# Allegro board A523-EVB-AXP717C-LPDDR4-4X-32X1-V1-0.brd (continued)
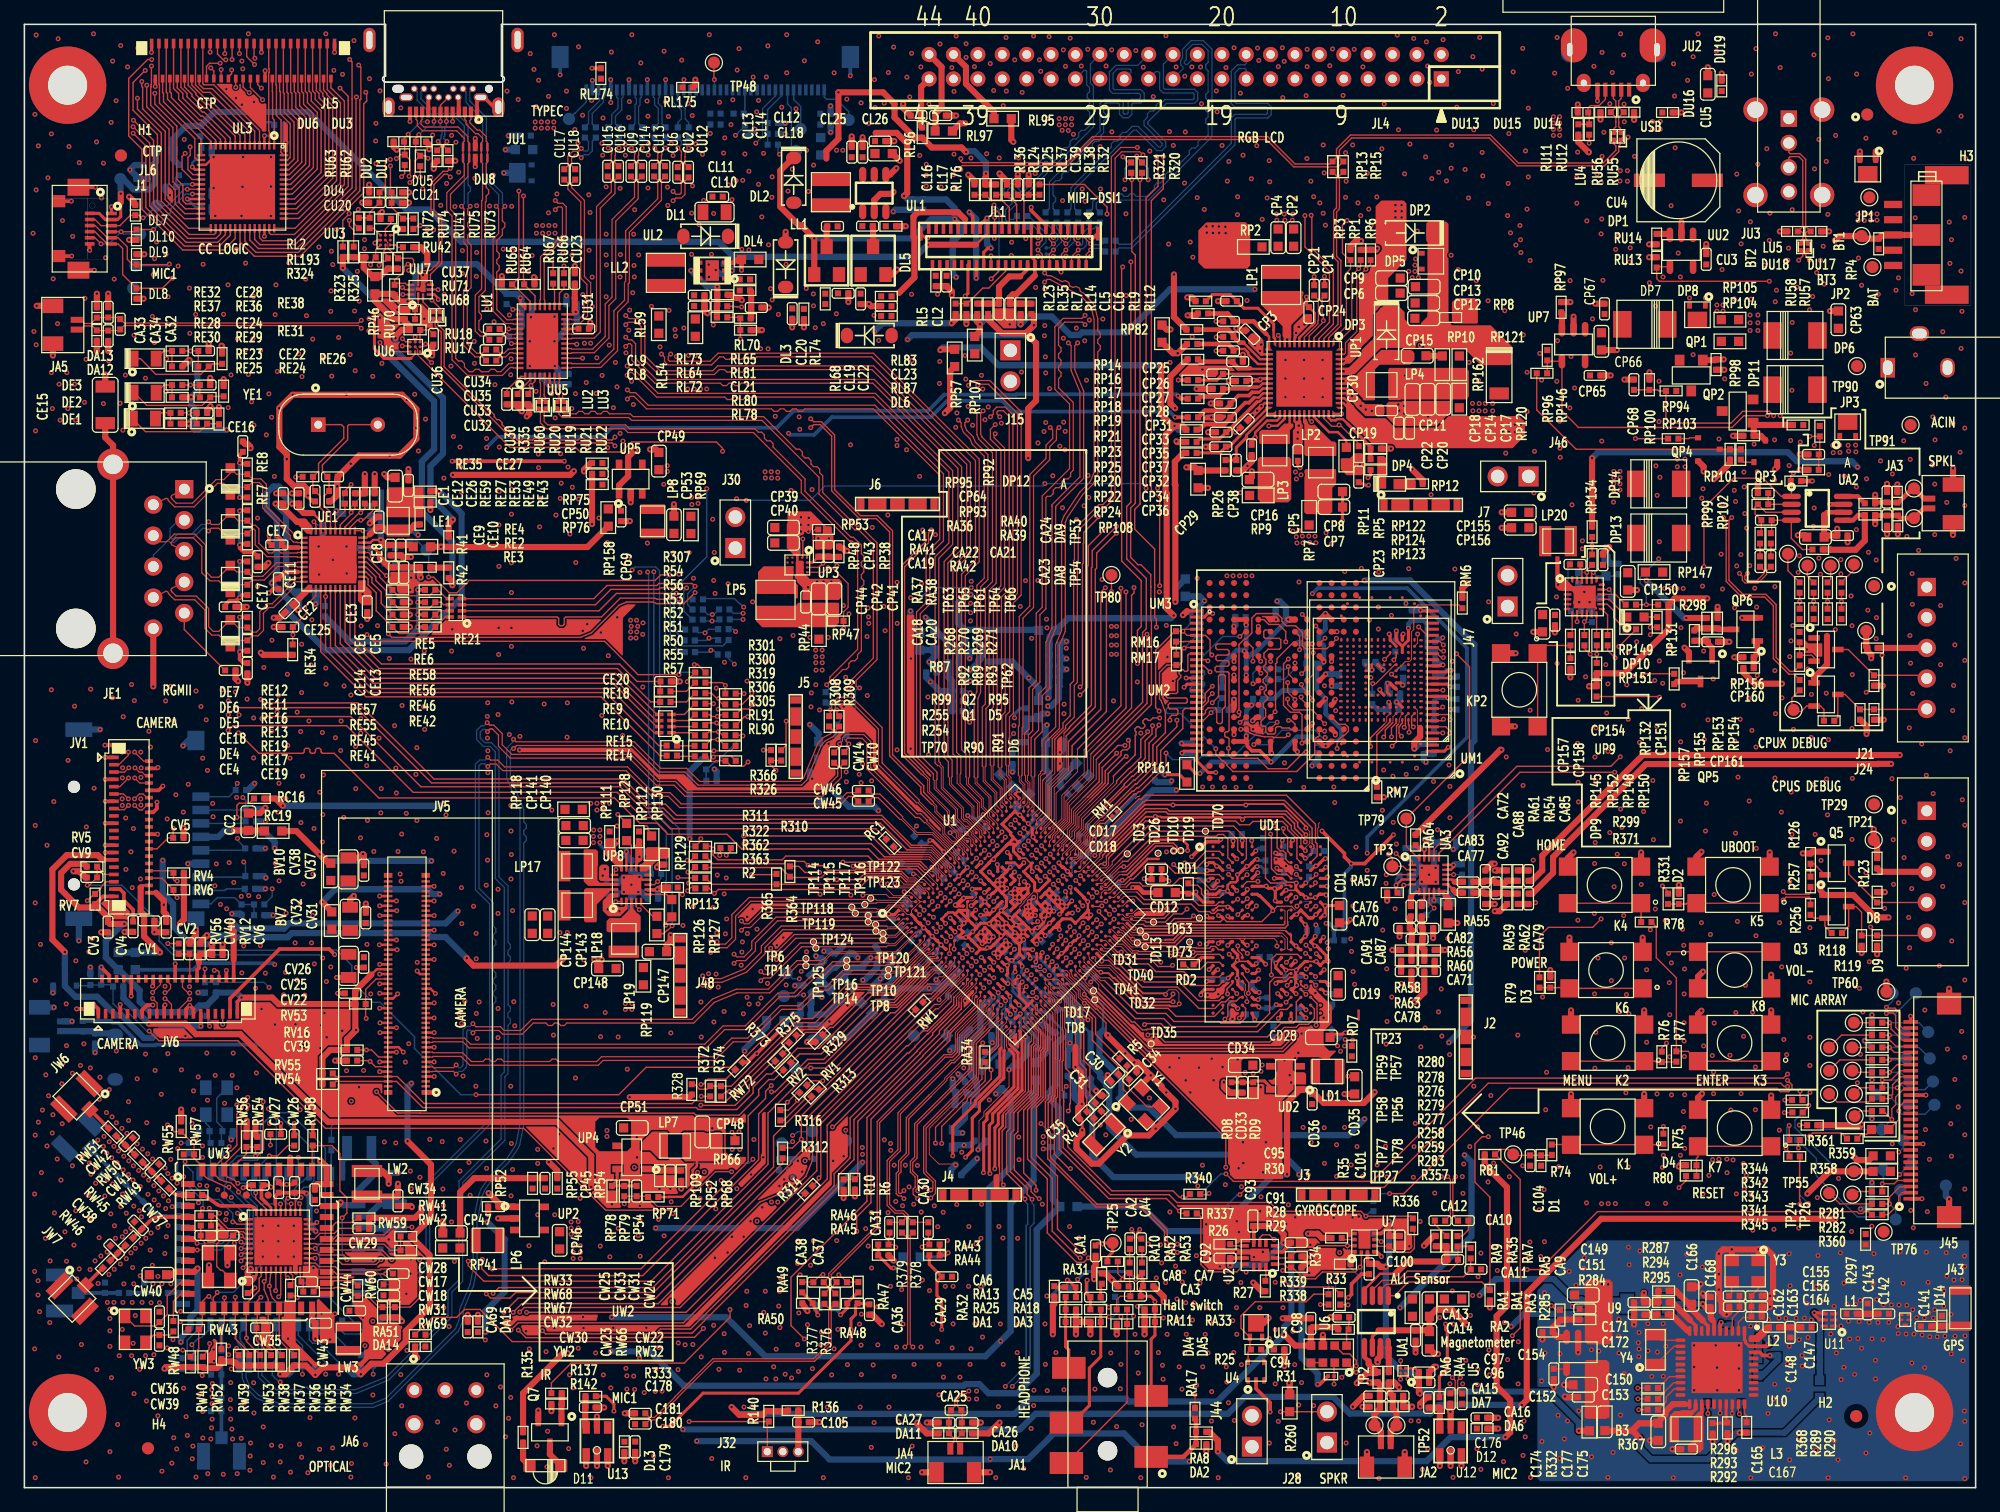
[diagram p0: board, top side]
## Routing (per net, layer and track width the routed paths; a pad name or vN(x,y) marks a point on that pad's centre or on a via; arc(x,y) is an arc through that point) (continued)
VDD-GPU: length 6
  TOP w0.254: v1(79.09,44.81) v1(79.45,45.17) U1.P10 ; v1(79.09,44.81) v1(78.54,44.61) ; v1(79.09,44.81) U1.P9 ; v1(78.43,45.54) U1.N8 v1(78.54,44.61) ; v1(78.43,45.54) U1.P9 ; v1(78.43,45.54) U1.N10 U1.P10 ; U1.P9 v1(78.54,44.61) ; U1.P9 U1.P10
VDD-SYSFB: length 87.2
  TOP w0.114: U1.L15 79.81,48.4 v1(79.49,48.07) ; UP1.34 105.35,87.56 105.47,87.43 v1(105.55,87.43)
  L3 w0.102: v1(69.21,71.4) 70.13,71.4 73.48,74.75 87.45,74.75 88.36,75.66 90.77,75.66 91.74,76.63 94.51,76.63 94.95,77.06 101.8,77.06 103.45,75.41 107.99,75.41 v1(108.26,75.14) ; v1(68.45,58.5) 68.45,58.47 69.32,57.61 69.34,57.61 72.67,54.28 72.67,54.15 76.33,50.5 76.78,50.5 78.26,49.02 78.26,48.06 78.61,47.7 79.12,47.7 v1(79.49,48.07)
  L4 w0.102: v1(69.21,71.4) 69.38,71.24 69.38,71.24 69.59,71.03 69.59,71.03 70.21,70.41 70.21,60.25 v1(68.45,58.5) ; v1(105.55,87.43) 107.59,85.38 107.59,76.5 108.26,75.83 v1(108.26,75.14)
VDD-VE: length 14.6
  TOP w0.254: v1(78,47.37) 77.69,47.06 U1.K10 U1.L10
  L3 w0.305: v1(70.18,41.73) 70.18,42.34 72.55,44.72 74.74,44.72 74.98,44.96 75.03,44.96 76.86,46.79 77.42,46.79 v1(78,47.37)
  BOTTOM w0.508: RP42.2 71.03,42.84 C33.1 70.53,42.08 v1(70.18,41.73) 69.63,41.18 C32.1
VDDI-EMMC: length 5.5
  TOP w0.076: 114.45,62.31 114.23,62.53 114.23,63.75 UM1.K2
  TOP w0.508: v1(113.97,60.6) 113.97,61.12 114.45,61.6 114.45,62.31
  BOTTOM w0.508: v1(113.97,60.6) 114.38,61.01 CM4.1 115.52,61.01 CM3.1
ACIN-DET: length 125.9
  TOP w0.114: RP93.2 CP64.2 147.22,84.82 RP92.1 v1(146.41,86.21) ; R363.1 53.62,50 v1(53.58,50.04)
  L3 w0.114: v1(53.58,50.04) 53.58,51.33 53.33,51.58 53.33,64.12 54.71,65.5 54.71,66.25 54.56,66.4 54.56,70.74 56.19,72.37 56.2,72.37 56.24,72.41 56.51,72.41 58.12,74.02 59.53,74.02 60.5,74.98 60.5,74.98 60.52,75 68.34,75 72.36,79.02 82.4,79.02 84.96,81.58 99,81.58 99.38,81.97 100.72,81.97 101.11,81.57 108.95,81.57 109.61,80.92 126.08,80.92 131.78,86.62 146.01,86.62 v1(146.41,86.21)
AECLN: length 1.5
  TOP w0.203: 117.27,49.68 117.09,49.87 UA3.12
  TOP w0.508: 117.27,49.68 CA83.2
AECLP: length 1.7
  TOP w0.203: 117.17,49.02 116.72,49.47 UA3.11
  TOP w0.508: 117.17,49.02 117.4,48.79 CA77.2
AECRN: length 1.6
  TOP w0.203: UA3.6 114.14,48.88 113.69,48.44
  TOP w0.508: CA76.2 113.69,48.44
AECRP: length 1.3
  TOP w0.203: 114.58,48.05 114.78,48.26 UA3.7
  TOP w0.508: CA70.2 114.58,48.05
AFVCC-CSI: length 16.9
  TOP w0.203: 9.55,49.23 9.71,49.39 JV1.36
  TOP w0.305: JV6.36 v1(16.56,42.42)
  TOP w0.508: 9.55,49.23 9.53,49.21 9.53,47.26 9.81,46.98 CV1.1 9.81,45.2 v1(11.13,43.89)
  L3 w0.508: v1(16.56,42.42) 15.09,43.89 v1(11.13,43.89)
  BOTTOM w0.508: v1(11.13,43.89) RP142.2 RP139.2
ALDO1: length 171.6
  TOP w0.305: 17.16,43.3 JV6.38 ; 10.79,48.79 JV1.38
  TOP w0.508: 10.79,48.79 11.43,48.14 v1(11.43,47.8) 11.43,47.21 11.63,47 CV2.1 ; v1(16.99,46.41) 16.99,45.78 17.16,45.61 17.16,43.3 ; RP14.1 95.72,97.61 v1(95.35,97.61)
  L3 w0.508: v1(95.35,97.61) 92.34,97.61 89.87,95.14 89.87,92.73 86.64,89.5 61.45,89.5 52.32,98.63 35.78,98.63 33.53,100.89 30.64,100.89 28.92,99.16 27.63,99.16 26.22,97.75 26.22,94.74 28.01,92.95 30.73,92.95 37.23,86.44 37.23,67.02 36.78,66.57 36.78,48.51 v1(35.54,47.27) ; v1(11.43,47.8) 14.38,47.8 15.77,46.41 v1(16.99,46.41)
  BOTTOM w0.508: v1(35.54,47.27) 34.54,46.27 21.71,46.27 21.29,45.85 17.58,45.85 17.42,46 17.41,46 v1(16.99,46.41)
ALDO2: length 233.6
  TOP w0.203: 28.46,42.08 28.89,42.51 JV5.52
  TOP w0.305: JV6.39 17.46,39.84 v1(17.81,40.19) ; RV7.1 5.8,47.84 6.45,48.49 JV1.39
  TOP w0.508: RV54.1 RV55.1 24.44,35.26 25.07,35.89 RV16.1 26.45,36.77 v1(27.2,37.52) 27.13,37.59 RV53.1 ; R328.1 54.52,32.02 v1(49.63,32.02) ; RV5.1 4.88,51.16 3.76,51.16 3.01,50.4 3.01,49.03 4.47,47.57 5.53,47.57 RV7.1 6.86,46.77 CV3.1 7.02,46.23 v1(8.2,46.23) ; v1(45.06,83.36) 44.75,83.06 v1(35.13,83.06) ; v1(17.81,40.19) 20.31,40.19 20.85,39.65 27.13,39.65 RV53.1 ; v1(95.38,96.14) 96.07,96.14 RP16.1 ; v1(12.76,46.26) 13.08,46.59 13.08,49.02 RV6.1 13.07,49.49 13.09,49.51 13.09,49.98 13.07,50 RV4.1 ; RV53.1 27.12,39.67 CV22.2 27.12,40.74 28.46,42.08 ; R329.1 v1(64.19,36.55)
  L3 w0.508: v1(45.06,83.36) 45.9,84.2 49.12,84.2 49.29,84.37 79.39,84.37 83.03,88.01 87.22,88.01 91.31,92.1 91.31,94.57 92.88,96.14 v1(95.38,96.14) ; v1(49.63,32.02) 49.63,34.12 v1(49.44,34.32) ; v1(12.76,46.26) 12.72,46.23 v1(8.2,46.23) ; v1(35.13,83.06) 35.13,80.9 34.43,80.2 34.43,77.99 34.71,77.71 34.71,75.4 33.66,74.35 33.66,54.94 31.52,52.8 v1(31.52,36.41)
  L4 w0.508: v1(27.2,37.52) 28.32,36.41 v1(31.52,36.41) 32.43,35.49 35.42,35.49 36.6,34.32 v1(49.44,34.32) 54.93,34.32 54.95,34.33 56.38,34.33 58.59,36.55 v1(64.19,36.55)
  BOTTOM w0.508: v1(17.81,40.19) 17.4,40.6 RV3.1 15.7,40.3 RV8.1 14.34,39.54 13.79,38.99 10.33,38.99 9.45,39.87 9.45,40.78 7.75,42.47 RP139.1 6.68,43.49 6.68,44.84 8.07,46.23 v1(8.2,46.23) ; v1(64.19,36.55) 64.54,36.91 67.51,36.91 RP159.1
ALDO3: length 409.6
  TOP w0.457: Q3.1 147.26,48.98 v1(147.26,49.35)
  TOP w0.508: v1(152.86,46.76) 151.8,46.76 149.96,48.6 Q3.1 ; RP156.2 140.95,66.85 141.88,65.93 v1(144.11,65.93) ; v1(145.82,52.01) R126.1 146.6,52.16 Q5.1 ; v1(110.93,101.63) 110.82,101.52 RP6.1 RP1.1 ; v1(10.21,38.05) 13.21,38.05 14.07,37.19 17.7,37.19 24.89,30 43.69,30 46.48,27.2 v1(46.48,24.66) ; RP17.1 94.26,96 v1(94.26,99.49)
  L3 w0.508: v1(80.05,12.01) 101.86,12.01 v1(102.07,12.22) 102.32,11.97 106.97,11.97 107.52,12.52 121.23,12.52 v1(121.92,13.21) 121.92,14.4 127.78,20.27 147.98,20.27 v1(150.57,22.86) ; v1(143.66,98.2) 112.9,98.2 111.06,100.03 111.06,101.49 v1(110.93,101.63) 101.39,101.63 99.26,99.5 99.21,99.5 99.21,99.49 v1(94.26,99.49) 89.1,99.49 85.82,96.22 72.31,96.22 71.68,95.58 65.63,95.58 v1(65.51,95.46)
  L4 w0.508: v1(72.66,71.88) 72.66,72.14 68.74,76.07 67.19,76.07 66.55,76.71 66.55,94.42 v1(65.51,95.46) ; v1(147.26,49.35) 147.26,50.58 v1(145.82,52.01) 145.82,64.22 v1(144.11,65.93) 144.11,86.91 145.77,88.57 145.77,96.09 v1(143.66,98.2) ; v1(46.48,24.66) 46.48,17.09 48.16,15.42 v1(48.16,13.97) ; v1(152.86,46.76) 152.86,43.26 151.49,41.89 v1(151.49,38.76) v1(151.49,33.43) v1(151.49,30.25) v1(151.49,25.02)
  BOTTOM w0.508: v1(10.21,38.05) 8.42,39.84 8.42,39.84 8.12,40.14 RV13.1 ; R134.2 v1(151.49,30.25) ; v1(151.49,25.02) R133.2 R131.2 151.09,22.86 v1(150.57,22.86) ; R107.2 R128.2 v1(151.49,38.76) ; v1(72.66,71.88) 72.65,71.87 72.65,70.86 RP81.1 ; v1(151.49,33.43) R105.2 R112.2 ; v1(121.92,13.21) 122.96,14.25 127.57,14.25 R369.2 ; RP160.2 82.96,32.41 RP125.1 82.75,25.18 80.86,23.28 80.86,12.83 v1(80.05,12.01) 78.8,10.77 60.75,10.77 57.55,13.97 v1(48.16,13.97)
ALDO4: length 153.3
  TOP w0.254: v1(85.94,47.12) 85.61,47.12 U1.AA21 ; U1.AA12 82.42,43.67 82.42,43.48 82.47,43.43 v1(82.47,43.41) ; v1(91.82,49.94) 91.87,49.89 CD18.1 92.41,49.91 CD17.1
  TOP w0.305: v1(98.1,53.16) 97.91,52.97 96.95,52.97 v1(95.71,51.74) ; v1(112.26,53.54) 109.9,51.18 v1(108.8,51.18) 108.24,51.73 108.24,52.01 v1(106.4,53.85)
  TOP w0.508: RP82.1 94.17,93.03 v1(94.57,93.03) RP18.1
  L3 w0.305: v1(104.51,74.27) 106.64,74.27 109.67,71.23 109.72,71.19 109.72,56.08 v1(112.26,53.54)
  L4 w0.305: v1(85.94,47.12) 86.12,46.94 86.66,46.94 87.23,47.51 87.39,47.51 89.2,49.33 90.3,49.33 90.91,49.94 v1(91.82,49.94) 92.41,50.52 95.1,50.52 95.71,51.14 v1(95.71,51.74) ; v1(94.57,93.03) 94.57,91.73 93.34,90.5 93.34,83.45 102.48,74.32 104.46,74.32 v1(104.51,74.27) ; v1(106.4,53.85) 105.69,54.56 104.62,54.56 103.65,53.59 103,53.59 102.55,53.14 101.3,53.14 100.91,53.52 98.46,53.52 v1(98.1,53.16) ; v1(109.9,30.23) 109.9,50.08 v1(108.8,51.18)
  BOTTOM w0.203: C22.1 84.79,41.3 86.65,41.3 88.45,39.5 88.45,37.52
  BOTTOM w0.254: v1(82.47,43.41) 82.59,43.53 83.1,43.53 84.56,42.07 C22.1
  BOTTOM w0.305: v1(108.8,51.18) 108.8,50.9 108.24,50.35 RD6.1
  BOTTOM w0.508: 88.45,37.52 88.16,37.23 88.16,35.37 89.94,33.58 RP83.1 90.71,31.16 92.19,31.16 94.44,28.91 108.57,28.91 v1(109.9,30.23)
ALDO-OUT: length 15.6
  TOP w0.254: v1(80.86,38.81) 80.86,38.88 U1.AE3
  L4 w0.508: v1(80.86,38.81) 80.86,38.17 79.36,36.67 v1(79.36,36.49) 79.36,36.33 78.71,35.69 78.71,33.27 78.33,32.89 78.33,29.09 77.32,28.08 v1(77.05,28.08)
  BOTTOM w0.508: RP85.1 76.33,28.08 v1(77.05,28.08) 77.54,28.08 C62.1 ; R143.2 79.3,36.56 v1(79.36,36.49)
ANT0: length 1.8
  TOP w0.305: UW3.2 12.73,23.99 arc(12.38,24.07) 12.09,24.28 RW49.1
AP6275P-XTAL-IN: length 1.7
  BOTTOM w0.114: UW1.14 16.16,27.41 RW7.1
AP6275P-XTAL-OUT: length 1.7
  BOTTOM w0.114: UW1.13 15.26,27.4 RW8.1
AP-CK24M-OUT: length 126.7
  TOP w0.076: 86.83,40.06 86.57,40.33 86.57,40.81 85.47,41.9 U1.AH14
  TOP w0.114: v1(98.51,26.27) 98.51,28.67 87.94,39.24 87.86,39.24 87.26,39.84 87.26,39.86 87.06,40.06 86.83,40.06 ; v1(14.61,22.91) 14.58,22.91 14.46,22.79 RW68.2
  L3 w0.114: v1(96.11,19.02) 95.93,18.85 90.25,18.85 89.38,17.98 72.87,17.98 71.73,19.12 69.19,19.12 67.19,21.12 61.26,21.12 60.31,20.17 49.12,20.17 v1(45.57,23.72)
  L4 w0.114: v1(12.57,27.8) 13.76,27.8 14.92,28.96 22.44,28.96 23.03,28.38 23.23,28.38 25.07,26.53 33.28,26.53 37.01,22.81 44.65,22.81 v1(45.57,23.72) ; v1(98.51,26.27) 97.88,25.64 97.88,20.8 v1(96.11,19.02)
  BOTTOM w0.114: v1(14.61,22.91) 14.66,22.96 14.66,23.52 13.04,25.14 12.91,25.14 12.57,25.48 v1(12.57,27.8)
AP-CK32K-OUT: length 91.3
  TOP w0.076: 85.39,37.58 85.27,37.7 85.27,39.97 84.9,40.33 84.7,40.33 84.16,40.88 84.16,41.23 U1.AG11
  TOP w0.114: v1(61.24,32.97) 60.78,32.51 60.78,31.93 59.34,30.49 59.34,26.73 50.56,17.94 v1(38.37,17.94) ; v1(85.6,30.89) 85.71,31 85.71,31.45 85.77,31.5 85.77,33.99 85.39,34.37 85.39,37.58 ; RW32.1 23.97,16.36 25.39,16.36 25.44,16.41 26.44,16.41 27.12,15.73 RW60.1 28.14,15.73 29.06,14.8 RW31.1 RW69.1 31.64,14.8 32.41,15.57 v1(32.41,18.69)
  L3 w0.114: v1(61.24,32.97) 71.24,32.97 73,31.21 78.29,31.21 78.71,30.78 79.55,30.78 80.11,31.34 85.14,31.34 v1(85.6,30.89) ; v1(32.41,18.69) 33,18.69 34.48,17.22 37.77,17.22 38.37,17.82 v1(38.37,17.94)
  BOTTOM w0.114: v1(32.41,18.69) 31.57,19.53 RW11.1
AP-NMI: length 211.2
  TOP w0.076: v1(83.65,42.4) 83,42.4 U1.AD11
  TOP w0.114: RP130.1 51.42,53.63 51.02,54.04 51.02,54.09 v1(50.97,54.13) ; v1(132.63,66.51) 132.86,66.74 RP157.1 ; UP1.37 106.55,87.69 107.2,87.04 107.71,87.04 v1(107.81,87.14) 107.88,87.14 109.41,85.62 RP5.2
  L3 w0.114: v1(50.02,26.26) 49.33,26.95 49.33,30.18 48.38,31.13 48.38,35.11 50.47,37.2 50.47,46.51 51.1,47.14 51.1,54 v1(50.97,54.13) ; v1(59.74,26.93) 60.49,27.69 66.89,27.69 69.01,29.81 77.68,29.81 78.26,29.24 80.7,29.24 81.28,29.82 83.32,29.82 v1(83.36,29.85) 83.37,29.85 83.38,29.84 84.2,29.84 86.33,27.72 92.84,27.72 96.67,31.55 110.92,31.55 111.91,32.54 125.25,32.54 v1(131.57,38.86) ; v1(125.94,84.5) 125.74,84.5 125.59,84.35 110.6,84.35 v1(107.81,87.14)
  L4 w0.076: v1(83.65,42.4) 83.65,41.9 84.44,41.11
  L4 w0.114: 84.44,41.11 84.44,39.87 84.81,39.49 84.81,34.2 83.79,33.18 83.79,30.24 83.41,29.85 v1(83.36,29.85) ; v1(131.57,38.86) 131.98,39.27 131.98,65.86 v1(132.63,66.51) 132.63,71.76 131.65,72.74 131.65,76.09 128.37,79.38 127.48,79.38 125.94,80.92 v1(125.94,84.5)
  BOTTOM w0.114: v1(50.02,26.26) 54.5,26.26 54.85,26.61 59.41,26.61 v1(59.74,26.93) ; C23.1 84.2,29 83.78,29.42 83.78,29.42 v1(83.36,29.85)
AP-RESET: length 306.2
  TOP w0.076: U1.AC11 82.65,42.74 v1(83.28,42.74)
  TOP w0.102: UP1.1 107.35,94.2 108.4,95.25 108.4,99.62 108.74,99.96 RP3.2
  TOP w0.114: v1(48.66,55.2) RP128.1 ; R80.1 136.25,25.18 v1(135.68,24.6) ; v1(108.46,103.91) 108.08,103.53 108.08,101.25 108.47,100.86 108.54,100.86 RP3.2
  L3 w0.114: v1(135.68,24.6) 135.51,24.77 125.5,24.77 123.39,22.66 110.92,22.66 110.64,22.94 108.31,22.94 108.03,22.66 103.38,22.66 99.56,18.84 97.85,18.84 97.17,18.16 v1(94.39,18.16) ; v1(48.66,55.2) 48.66,70.48 48.17,70.97 48.17,74.82 v1(49.51,76.15) ; v1(122.63,103.5) 111.72,103.5 111.32,103.91 v1(108.46,103.91) 108.41,103.96 106.26,103.96 105.83,103.53 100.9,103.53 100.9,103.52 100.67,103.52 98.45,101.3 88.21,101.3 84.68,97.76 81.74,97.76 79.53,99.97 76.19,99.97 75.73,99.5 72.58,99.5 72.58,99.49 71.4,99.49 71.03,99.86 59.51,99.86 57.8,101.57 46.41,101.57 v1(46.3,101.47)
  L4 w0.076: 85.93,38.59 85.93,40.58 83.76,42.74 v1(83.28,42.74)
  L4 w0.114: v1(94.39,18.16) 94.3,18.16 92.75,19.7 92.75,20.94 84.77,28.92 84.77,32.25 v1(85.43,32.91) 85.43,34.4 86.47,35.44 86.47,37.13 85.93,37.67 85.93,38.59 ; v1(46.3,101.47) 46.17,101.34 46.17,96.08 44.49,94.41 44.49,87.93 48.06,84.36 48.06,80.31 49.51,78.86 v1(49.51,76.15) ; v1(122.63,103.5) 122.78,103.5 126.29,99.99 126.29,88.08 126.61,87.76 126.61,81.46 128.17,79.91 128.83,79.91 134.09,74.65 134.09,68.64 134.97,67.75 134.97,45.26 135.56,44.67 135.56,28.78 135.08,28.3 135.08,25.2 v1(135.68,24.6)
  BOTTOM w0.114: C24.1 85.27,32.75 v1(85.43,32.91)
AP-WAKE-BT: length 122.4
  TOP w0.076: U1.AH4 81.94,38.23 81.94,38.15 82.77,37.32
  TOP w0.114: v1(14.15,20.04) 14.15,20.07 13.83,20.39 UW3.6 ; UW2.5 18.06,20.41 17.82,20.65 v1(17.78,20.65) ; 82.77,37.32 82.77,36.44 82.56,36.22 82.56,32.44 80.82,30.7 80.82,29.45 80.54,29.17 80.54,25.77 81.86,24.45 81.86,23.85 v1(82.04,23.67)
  L3 w0.114: v1(13.73,11.72) 13.73,19.61 v1(14.15,20.04) ; v1(80.44,8.3) 74.82,8.3 74.2,7.68 52.64,7.68 52.51,7.55 52.07,7.55 v1(51.73,7.89)
  L4 w0.114: v1(17.78,20.65) 18.69,19.73 22.86,19.73 23.45,20.33 25.77,20.33 27.12,18.97 27.12,14.07 28.1,13.1 31.03,13.1 33.52,10.6 49.01,10.6 v1(51.73,7.89)
  BOTTOM w0.114: v1(82.04,23.67) 82.04,23.47 82.27,23.24 82.27,21.62 82.14,21.49 82.14,10.01 v1(80.44,8.3) ; UW1.49 15.26,13.05 14.55,12.34 14.21,12.2 v1(13.73,11.72) 13.73,11.66 13.87,11.52 RW47.2 ; v1(14.15,20.04) 14.18,20.01 16.2,20.01 16.94,20.75 17.68,20.75 v1(17.78,20.65)
BL-PWMI: length 5
  BOTTOM w0.114: RL189.2 RL190.2 CL52.1 60.94,113 62.08,114.14 JL2.33
BLDO1: length 243.6
  TOP w0.203: 18.81,17.2 19.02,17.41 UW2.11
  TOP w0.508: v1(94.36,88.52) 93.97,88.91 93.97,91.12 RP19.1 ; 18.81,17.2 18.42,16.81 CW23.1 18.31,17.66 18.55,17.9 v1(18.55,17.96) ; RW54.2 18.95,28.93 v1(18.95,29.87) ; UW3.22 23.59,13.75 CW43.2 v1(23.86,12.22) ; RW55.2 v1(12.85,31.01) ; v1(11.48,9.76) 11.61,9.89 RW40.2 RW52.2 14.71,9.8 15.78,9.8 16.15,10.18 RW39.2 16.33,10.34 17.07,10.34 17.15,10.26 17.31,10.26 RW53.2 RW38.2 RW37.2 RW36.2 RW35.2 21.11,9.42 v1(20.98,9.3) 21.41,9.3 RW34.2 23.09,10.01 v1(23.86,9.25) 24.47,9.86 27.03,9.86 v1(27.58,9.3) 28.45,10.16 29.44,10.16 31.27,11.99 31.27,12.84 33.25,14.82 33.25,17.11 v1(33.22,17.14) 33.22,19.07 RW41.2 31.8,20.6 33.34,22.13 33.34,26.49 v1(31.42,28.41)
  L3 w0.508: v1(12.85,31.01) 12.85,33.07 14.14,34.37 17.28,34.37 18.95,32.69 v1(18.95,29.87) 19.03,29.87 19.63,29.27 30.56,29.27 v1(31.42,28.41) ; v1(45.18,33.59) 45.18,40.19 43.32,42.05 43.32,52.89 45.11,54.68 45.11,73.68 48.45,77.02 50.49,77.02 50.77,76.73 51.69,76.73 53.09,78.13 54.33,78.13 57.94,81.74 59.84,81.74 60.64,80.94 80.09,80.94 83.64,84.49 90.21,84.49 94.24,88.52 v1(94.36,88.52) ; v1(33.22,17.14) 32.98,17.14 32,18.11 29.36,18.11 28.93,17.68 28.93,17.56 28.42,17.05 v1(28.39,17.05) 28,17.44 22.57,17.44 21.91,18.1 18.69,18.1 v1(18.55,17.96)
  L4 w0.508: v1(59.05,35.79) 56.88,33.62 55.24,33.62 55.22,33.59 v1(45.18,33.59) 36.63,33.59 36.19,33.15 32.72,33.15 v1(31.73,33.15) ; v1(27.58,9.3) 26.12,10.76 25.11,10.76 23.86,12.01 v1(23.86,12.22)
  BOTTOM w0.508: RW15.2 v1(20.98,9.3) 21.65,9.3 21.95,9.6 RW14.2 ; RW5.2 v1(27.58,9.3) 26.95,9.3 26.61,9.63 RW13.2 ; UW1.34 28.2,16.86 v1(28.39,17.05) ; RW12.2 v1(23.86,9.25) ; RP27.1 60.86,37.78 59.05,35.97 v1(59.05,35.79) ; v1(31.42,28.41) 31.42,32.84 v1(31.73,33.15) ; v1(11.48,9.76) RW44.2 RW4.2
BLDO2: length 153.7
  TOP w0.254: v1(103.49,48.28) UD1.G9 ; v1(100.27,49.07) 100.27,48.96 99.97,48.66 UD1.G4 ; UD1.F1 97.48,49.31 97.84,49.68 v1(97.84,49.73) ; v1(106.58,42.47) UD1.U12 ; UD1.T4 100.28,42.4 v1(100.28,42.39) ; UD1.F12 v1(106.81,49.31)
  TOP w0.305: v1(104.21,43.16) UD1.T9 ; v1(97.86,42.48) 97.79,42.48 UD1.U1 ; RP21.1 v1(94.61,90.83)
  TOP w0.508: v1(110.72,32.44) 109.82,31.54 106.53,31.54 105.77,32.3 CD36.1 105.24,32.65 UD2.1 103.53,31.58 v1(103.53,25.69)
  L3 w0.254: v1(106.81,49.31) 106.98,49.14 107.41,49.14
  L3 w0.305: v1(110.1,52.03) 110.1,51.84 107.41,49.14
  L4 w0.254: v1(106.83,44.7) 106.97,44.84 106.97,46.04 v1(106.73,46.28) ; v1(97.86,42.48) 100.19,42.48 v1(100.28,42.39)
  L4 w0.305: v1(97.84,49.73) 97.92,49.81 99.75,49.81 100.27,49.28 v1(100.27,49.07) 100.38,49.17 101.29,49.17 101.84,48.62 103.15,48.62 v1(103.49,48.28) 103.49,48.29 104.3,49.1 106.59,49.1 v1(106.81,49.31) 106.83,49.31 107.21,48.93 107.21,46.69 106.81,46.28 v1(106.73,46.28) ; v1(94.61,90.83) 93.85,90.06 93.85,83.69 102.71,74.83 104.71,74.83 105.61,73.93 v1(105.61,73.32) ; v1(106.83,44.7) 106.77,44.7 106.45,44.39 106.45,42.6 v1(106.58,42.47) 106.22,42.47 105.87,42.47 105.18,43.16 v1(104.21,43.16) 103.83,43.54 100.97,43.54 100.28,42.86 v1(100.28,42.39)
  L4 w0.508: v1(110.72,32.44) 110.72,51.42 v1(110.1,52.03)
  BOTTOM w0.254: v1(97.84,49.73) 97.51,49.41 CD26.1
  BOTTOM w0.305: v1(106.83,44.7) 107.01,44.88 CD27.1 107.39,44.9 RD6.2 106.98,46.28 v1(106.73,46.28) ; v1(110.1,52.03) 110.1,53.34 118.29,61.52 118.29,68.86 113.39,73.76 106.06,73.76 v1(105.61,73.32)
  BOTTOM w0.508: v1(103.53,25.69) 102.45,25.69 97.79,21.03 93.68,21.03 91.67,23.05 RP31.1
BLDO3: length 167
  TOP w0.305: v1(94.59,89.54) 94.82,89.3 RP23.1
  L3 w0.305: v1(37.9,85.31) 37.9,66.47 37.39,65.95 37.39,46.18 37.74,45.82 37.74,39.64 37.74,39.63 37.74,33.64 v1(37.02,32.92)
  L4 w0.305: v1(20.52,42.9) 20.52,38.68 v1(22.87,36.33) 27.22,31.98 36.08,31.98 v1(37.02,32.92)
  BOTTOM w0.305: R32.1 7.1,38.27 7.24,38.13 7.7,38.13 9.55,36.27 10.72,36.27 10.78,36.33 v1(22.87,36.33) ; RP142.1 13.84,42.47 14.38,43 20.42,43 v1(20.52,42.9) ; v1(94.59,89.54) 94.46,89.67 81.35,89.67 81.31,89.62 80.39,89.62 80.38,89.64 75.42,89.64 74.1,88.32 63.1,88.32 61.7,86.92 48.16,86.92 47.41,86.18 38.78,86.18 v1(37.9,85.31)
BLDO4: length 144.6
  TOP w0.305: RP25.1 v1(94.36,87.78) ; JV1.37 7.84,49.09 8.16,48.76 8.16,48.09 v1(8.17,48.09) 8.22,48.09 8.92,47.39 CV4.1 ; 25.46,43.74 v1(25.44,43.72) 24.99,44.17 20.92,44.17 16.86,40.11 JV6.37 ; v1(35.08,84.18) v1(44.27,84.18)
  L3 w0.305: v1(62.66,86.46) 50.52,86.46 48.87,84.81 44.91,84.81 v1(44.27,84.18) ; v1(35.08,84.18) 34.79,84.18 33.07,82.45 30.61,82.45 29,80.85 29,78.38 25.44,74.82 25.44,64.88 26.65,63.67 26.65,48.8 26.56,48.7 26.56,44.84 v1(25.44,43.72) 23.37,45.8 15.52,45.8 14.12,47.19 11.18,47.19 10.82,47.55 10.82,47.62 10.36,48.09 v1(8.17,48.09)
  BOTTOM w0.305: v1(62.66,86.46) 62.79,86.33 64.75,86.33 66.21,87.79 74.32,87.79 75.66,89.13 80.17,89.13 81.05,88.24 93.9,88.24 v1(94.36,87.78)
BOOT-SEL-ADC: length 20.7
  TOP w0.076: 76.84,38.89 77.72,39.77 77.72,40.3 78.05,40.63 U1.W2
  TOP w0.114: R10.1 67.58,25.28 67.59,25.29 R6.2 68.34,25.54 68.34,30.05 73.66,35.36 73.66,35.42 75.44,37.19 75.44,37.49 76.84,38.89
BT-PCM-CLK: length 85.4
  TOP w0.076: 76.26,40.26 77.24,41.23 77.24,41.58 U1.U2
  TOP w0.114: UW3.26 25.78,18.59 26.07,18.31 28.85,18.31 v1(29.24,18.69) ; v1(39.9,12.93) 40.49,13.51 54.04,13.51 65.84,25.31 65.84,29.18 65.82,29.2 65.82,29.72 72.34,36.23 72.46,36.23 73.69,37.46 74.06,37.46 76.21,39.6 76.21,40.2 76.26,40.26 ; v1(22.57,23.29) 22.62,23.24 UW2.31
  L4 w0.114: v1(39.9,12.93) 38.99,12.93 35.51,16.41 29.84,16.41 29.09,17.16 29.09,18.55 v1(29.24,18.69) 27.86,20.07 27.86,22.04 26.12,23.78 23.97,23.78 23.48,23.29 v1(22.57,23.29)
  BOTTOM w0.114: UW1.22 23.36,25.65 22.76,25.05 22.68,25.05 22.16,24.53 22.16,23.66 22.53,23.29 v1(22.57,23.29)
BT-PCM-DIN: length 88.3
  TOP w0.076: 76.82,39.75 76.82,39.75 76.82,40.11 78.05,41.33 U1.V3
  TOP w0.114: v1(30.12,18.69) 29.33,19.49 UW3.27 ; UW2.33 21.82,23.22 v1(21.88,23.28) ; v1(40.5,12.92) 41.12,12.29 51.89,12.29 52.27,12.67 54.75,12.67 66.71,24.64 66.71,25.59 68.03,26.9 68.03,30.18 73.44,35.59 73.44,35.65 75.03,37.24 75.03,37.47 76.82,39.26 76.82,39.75
  L4 w0.114: v1(21.88,23.28) 21.88,23.49 22.94,24.56 26.44,24.56 28.73,22.27 28.73,20.35 30.12,18.95 v1(30.12,18.69) 30.12,18.67 30.48,18.31 34.77,18.31 39.67,13.41 40.01,13.41 v1(40.5,12.92)
  BOTTOM w0.114: v1(21.88,23.28) 21.54,23.28 21.08,23.75 21.08,24.96 21.56,25.44 UW1.20
BT-PCM-DOUT: length 99
  TOP w0.102: U1.U5 78.73,42.42 v1(78.73,42.42)
  TOP w0.114: v1(29.62,17.54) 29.6,17.52 25.59,17.52 25.41,17.69 UW3.25 ; UW2.32 22.22,23.51 22.49,23.78 v1(22.68,23.78)
  L4 w0.076: v1(78.73,42.42) 78.73,41.99 78.48,41.74 78.09,41.74 76.25,39.9
  L4 w0.114: v1(22.68,23.78) 22.7,23.76 23.29,23.76 23.77,24.24 26.31,24.24 28.35,22.2 28.35,20.27 29.62,18.99 v1(29.62,17.54) ; 76.25,39.9 76.25,39.19 67.56,30.51 67.55,30.51 66.98,29.94 66.98,29.37 66.98,29.37 66.98,29.33 66.53,28.88 65.18,28.88 64.8,29.26 59.87,29.26 59.03,28.42 57.75,28.42 57.67,28.34 41.87,28.34 41.02,27.49 25.52,27.49 24.16,28.85 23.81,29.19 23.37,29.19 22.17,30.39 v1(20.66,30.39)
  BOTTOM w0.114: v1(22.68,23.78) 22.62,23.85 22.62,24.34 22.92,24.64 23.25,24.64 23.74,25.13 23.74,27.67 21.02,30.39 v1(20.66,30.39) UW1.19
BT-PCM-SYNC: length 92.6
  TOP w0.076: 76.63,39.79 76.63,40.15 77.69,41.22 U1.V2
  TOP w0.114: v1(31.78,21.36) 30.12,21.36 29.49,20.73 25.68,20.73 25.34,20.39 UW3.28 ; v1(42.48,12.86) 42.73,12.61 51.75,12.61 52.15,13 54.63,13 66.4,24.77 66.4,25.73 67.71,27.04 67.71,30.31 73.21,35.81 73.21,35.85 74.47,37.11 74.47,37.28 76.63,39.43 76.63,39.79 ; v1(21.61,23.73) 21.53,23.73 21.42,23.62 UW2.34
  L3 w0.114: v1(31.78,21.36) 35.11,18.03 37.38,18.03 37.98,18.63 38.73,18.63 42.48,14.88 v1(42.48,12.86)
  L4 w0.114: v1(31.78,21.36) 30.15,21.36 26.5,25.01 22.63,25.01 22.14,24.52 22.14,24.26 21.61,23.73 v1(21.61,23.73) 21.61,23.74 21.15,24.19 21.15,25.77 v1(22.46,27.08)
  BOTTOM w0.114: UW1.21 v1(22.46,27.08)
BT-RESETN: length 120.2
  TOP w0.076: 82.72,38.08 82.29,38.5 U1.AH5
  TOP w0.114: UW3.34 23.59,27.99 RW58.2 25.22,28.05 25.88,27.39 25.88,24.34 26.44,23.77 26.44,22.5 v1(26.06,22.12) ; 82.72,38.08 82.72,38.02 82.95,37.78 82.95,37.64 83.14,37.45 83.14,36.17 82.94,35.97 82.94,32.24 81.47,30.76 81.47,29.2 81.17,28.9 81.17,26.04 82.55,24.66 82.55,24.28 83.13,23.7 v1(83.21,23.7) ; UW2.23 24.02,19.21 24.16,19.08 26.19,19.08 26.44,18.82 v1(26.44,18.69)
  L3 w0.114: v1(83.21,23.7) 83.11,23.7 81.62,25.18 80.05,25.18 79.63,24.76 75.52,24.76 74.93,25.35 71,25.35 68.52,22.87 61.81,22.87 61.26,23.41 v1(61.26,23.42) ; v1(49.96,9.14) 50.19,8.92 v1(60.81,8.92)
  L4 w0.114: v1(61.26,23.42) 61.26,11.02 60.81,10.57 v1(60.81,8.92) ; v1(26.44,18.69) 26.44,13.13 v1(27.92,11.64) 28.01,11.73 30.37,11.73 32.12,9.97 48.09,9.97 49.25,8.81 49.63,8.81 v1(49.96,9.14)
  BOTTOM w0.114: UW1.38 25.16,12.8 27.1,10.86 RW5.1 27.92,11.2 v1(27.92,11.64) ; v1(26.44,18.69) 26.06,19.08 v1(26.06,22.12)
BT-UART-CTS: length 112.8
  TOP w0.102: U1.R4 77.67,42.78 v1(77.67,42.77)
  TOP w0.114: v1(17.76,19.1) 17.87,19.21 UW2.8 ; v1(16.76,24.64) 16.57,24.64 14.92,25.42 14.59,25.75 UW3.44 14.59,26.35 13.91,27.03 RW57.2 13.91,28.13 RW55.1 12.29,29.19 v1(11.73,29.74)
  L3 w0.114: v1(20.98,8.66) 19.53,10.11 16.31,10.11 15.66,10.76 15.58,10.76 14.77,11.56 14.77,16.87 17,19.1 v1(17.76,19.1)
  L4 w0.114: v1(11.73,29.74) 11.73,30.92 13.97,33.15 22,33.15 25.56,29.6 41.26,29.6 42.26,30.6 54.83,30.6 54.92,30.51 56.49,30.51 56.77,30.78 65.3,30.78 75.91,41.39 76.29,41.39 v1(77.67,42.77)
  BOTTOM w0.114: v1(17.76,19.1) 17.77,19.1 18.46,19.79 18.46,22.83 16.76,24.52 v1(16.76,24.64) ; UW1.43 20.66,12.66 20.66,12.66 20.66,11.78 20.98,11.46 RW15.1 20.32,10.21 20.32,9.23 20.89,8.66 v1(20.98,8.66)
BT-UART-RTS: length 113.1
  TOP w0.102: v1(78.35,42.06) 78.35,42.09 U1.U4
  TOP w0.114: v1(17.76,19.61) 17.77,19.61 UW2.7 ; v1(19.58,31.65) 19.58,29.02 19.61,29 19.61,27.72 19.09,27.2 v1(18.95,27.2) 18.95,27.78 RW54.1 RW56.2 18.21,27.38 17.29,26.46 UW3.41
  L3 w0.114: v1(17.76,19.61) 17.06,19.61 14.46,17.01 14.46,10.89 16.08,9.27 19.76,9.27 20.73,8.3 21.81,8.3 v1(22.8,9.3)
  L4 w0.076: v1(78.35,42.06) 78.08,42.06 76.51,40.49 76.41,40.4
  L4 w0.114: 76.41,40.4 75.98,39.97 75.98,39.38 67.43,30.83 67.42,30.83 66.66,30.07 66.66,29.46 66.4,29.2 65.31,29.2 64.94,29.57 57.36,29.57 56.84,29.05 54.57,29.05 53.97,29.65 42.73,29.65 40.89,27.81 25.83,27.81 24.12,29.51 23.5,29.51 21.35,31.65 v1(19.58,31.65)
  BOTTOM w0.114: UW1.42 21.56,12.9 22.8,11.65 RW18.2 RW14.1 v1(22.8,9.3) ; v1(18.95,27.2) 17.47,27.2 16.75,26.47 16.74,26.47 16.56,26.3 16.56,24.95 16.4,24.79 16.4,23.85 16.84,23.41 17.08,23.41 18.14,22.35 18.14,19.99 v1(17.76,19.61)
BT-UART-RX: length 110.2
  TOP w0.102: U1.R5 78,43.15 v1(78.04,43.15)
  TOP w0.114: v1(15.19,11.81) 15.19,11.57 15.14,11.52 15.14,11.37 RW52.1 ; UW2.9 17.98,18.81 v1(17.76,18.59) ; v1(17.56,24.24) 17.53,24.28 17.52,24.41 17.18,24.75 17.08,24.85 16.93,25.01 16.44,25.1 15.98,25.29 15.49,25.78 UW3.43 15.49,26.22 16.88,27.6 16.94,27.6 17.42,28.09 17.42,30.63 17.93,31.14 17.93,31.62 v1(18.31,32)
  L3 w0.114: v1(17.76,18.59) 15.45,16.28 15.45,15.86 15.5,15.82 15.5,12.12 v1(15.19,11.81) 15.56,11.81 16.1,11.27 16.1,10.97 16.56,10.52 23.49,10.52 v1(24.71,9.3)
  L4 w0.076: v1(78.04,43.15) 78.04,42.7 76.4,41.06 76.23,41.06
  L4 w0.114: v1(18.31,32) 18.64,32.33 22.38,32.33 25.42,29.28 41.39,29.28 42.39,30.28 54.69,30.28 54.79,30.19 56.71,30.19 56.97,30.45 65.92,30.45 75.46,39.99 75.46,40.28 76.23,41.06
  BOTTOM w0.114: UW1.41 22.46,12.49 24.71,10.24 RW12.1 v1(24.71,9.3) ; v1(17.76,18.59) 17.77,18.59 18.77,19.6 18.77,22.96 17.56,24.17 v1(17.56,24.24)
BT-UART-TX: length 107.9
  TOP w0.076: 76.43,39.97 76.43,40.19 77.39,41.15 77.39,41.39 77.69,41.69 U1.U3
  TOP w0.114: v1(18.33,31.35) 18.33,30.98 17.79,30.44 17.79,27.93 16.39,26.54 UW3.42 16.39,25.75 16.67,25.47 17.19,25.26 17.49,24.95 v1(17.5,24.95) ; UW2.10 18.31,18.41 v1(17.93,18.03) ; RW53.1 17.31,11.11 17.31,11.34 v1(17.39,11.42) ; 76.43,39.97 76.43,39.55 74.09,37.21 74.04,37.21 73.03,36.2 73.03,36.15 72.52,35.64 72.4,35.64 66.33,29.58 v1(66.26,29.58)
  L3 w0.114: v1(25.76,9.3) 25.23,9.3 23.71,10.82 23.63,10.82 23.62,10.83 17.98,10.83 v1(17.39,11.42) 17.31,11.5 17.31,13.96 16.05,15.23 16.05,15.73 16.33,16.01 16.33,16.71 17.66,18.03 v1(17.93,18.03)
  L4 w0.114: v1(66.26,29.58) 66.09,29.58 65.58,30.09 57.12,30.09 56.9,29.87 54.19,29.87 54.1,29.97 42.6,29.97 41.6,28.97 25.19,28.97 22.14,32.01 18.99,32.01 v1(18.33,31.35)
  BOTTOM w0.114: v1(17.5,24.95) 17.51,24.96 18.08,24.96 18.29,24.74 18.29,24.44 18.29,24.44 18.29,23.89 19.09,23.09 19.09,19.19 v1(17.93,18.03) ; v1(25.76,9.3) RW13.1 25.76,10.28 24.21,11.84 23.65,11.84 23.36,12.13 UW1.40
BT-WAKE-AP: length 126.6
  TOP w0.076: 83.15,37.71 83.15,37.83 82.89,38.09 82.89,38.26 U1.AJ5
  TOP w0.114: v1(17.76,20.14) 17.9,20.01 UW2.6 ; v1(82.96,24.38) 82.96,24.79 81.94,25.81 81.94,30.96 83.15,32.17 83.15,35.91 83.33,36.09 83.33,37.53 83.15,37.71 ; UW3.7 14.17,19.49 v1(14.18,19.49)
  L3 w0.114: v1(82.96,24.38) 82.88,24.38 81.76,25.5 79.91,25.5 79.49,25.08 75.67,25.08 75.08,25.67 70.87,25.67 68.39,23.18 62.01,23.18 v1(61.77,23.42) ; v1(62.38,9.3) 62.23,9.45 60.55,9.45 60.35,9.25 50.57,9.25 50.27,9.55 49.78,9.55 v1(49.4,9.17) ; v1(14.18,19.49) 14.56,19.1 14.56,17.56 14.09,17.09 14.09,11.57 13.8,11.28 v1(12.98,11.28)
  L4 w0.114: v1(17.76,20.14) 17.78,20.14 18.5,19.42 22.99,19.42 23.58,20.01 25.64,20.01 26.8,18.84 26.8,13.94 27.96,12.78 30.89,12.78 33.39,10.29 48.29,10.29 v1(49.4,9.17) ; v1(62.38,9.3) 62.45,9.36 62.45,22.75 v1(61.77,23.42)
  BOTTOM w0.114: UW1.50 14.36,13.09 13.35,12.08 13.35,10.98 RW4.1 RW44.1 12.09,10.85 12.52,11.28 v1(12.98,11.28) ; v1(14.18,19.49) 16.13,19.49 17.07,20.43 17.47,20.43 v1(17.76,20.14)
CC1: length 14.7
  TOP w0.114: v1(30,108.93) 30.02,108.93 30.02,108.93 29.77,108.93 29.6,108.76 29.6,106.71 DU4.2 29.12,105.39 CU20.2 28.31,104.57 RU74.2 RU72.2 ; JU1.A5 v1(35.12,112.04)
  L3 w0.114: v1(35.12,112.04) 35.12,112.04 34.66,111.58 30.99,111.58 30.02,110.62 30.02,108.93 v1(30,108.93)
CC1-AXP717C: length 98.1
  TOP w0.114: v1(27.38,104.83) 27.05,104.5 27.05,104.49 27.01,104.45 27.01,103.69 RU72.1 ; v1(105.51,104.34) 105.56,104.29 105.56,101.65 107.33,99.88 107.33,95.42 106.15,94.24 UP1.4
  L3 w0.114: v1(105.51,104.34) 104.71,105.14 97.6,105.14 96.54,104.08 81.24,104.08 79.08,106.24 73.51,106.24 72.82,106.93 72.82,109 72.24,109.58 67.52,109.58 67.23,109.29 62.38,109.29 61.41,108.31 43.87,108.31 41.12,105.57 31.93,105.57 31.76,105.73 29,105.73 28.09,104.83 v1(27.38,104.83)
